# KiCad board testhologram v2.kicad_pcb (continued)
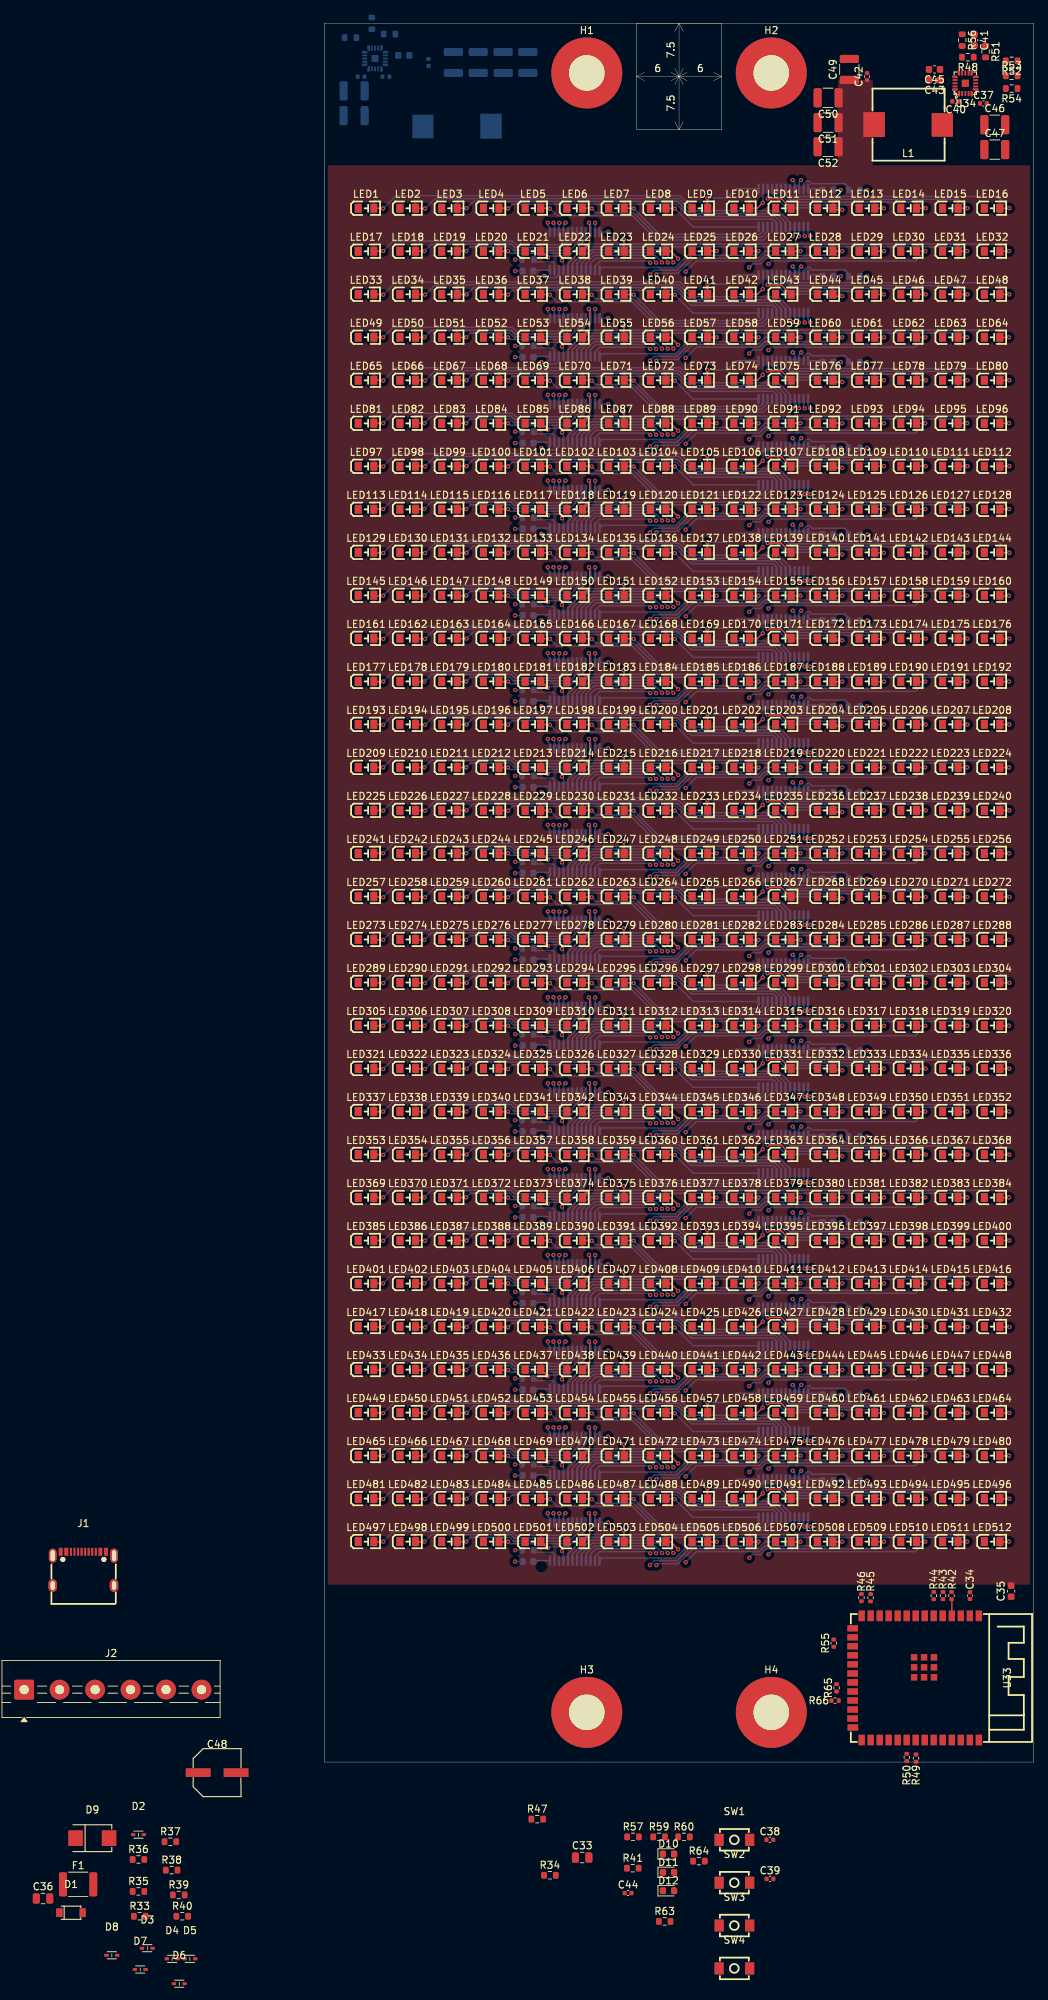
[diagram p0: board, top side]
## Routing (per net, layer and track width the routed paths; a pad name or vN(x,y) marks a point on that pad's centre or on a via; arc(x,y) is an arc through that point) (continued)
Net-(LED347-K): length 35.5
  Top w0.2: v1(67.1,91.65) 67.08,91.63 65.76,91.63
  In4.Cu w0.2: v1(46.8,88.35) 46.8,90 v1(46.78,90.03)
  Bottom w0.2: v1(46.78,90.03) 46.15,90.65 38.26,90.65 37.52,89.91 U22.15 ; v1(46.8,88.35) 46.98,88.53 49.87,88.53 51.97,90.63 51.97,90.65 61.1,90.65 62.1,91.65 v1(67.1,91.65)
Net-(LED348-K): length 41.1
  Top w0.2: 71.64,91.63 72.98,91.63 v1(73,91.65)
  In4.Cu w0.2: v1(47.6,90.05) 47.6,89.95 48.8,88.75 v1(50.93,88.75)
  Bottom w0.2: v1(73,91.65) 72.4,91.05 62.1,91.05 61.3,90.25 52.43,90.25 v1(50.93,88.75) ; v1(47.6,90.05) 46.6,91.05 38.03,91.05 36.89,89.91 U22.16
Net-(LED349-K): length 47.5
  Top w0.2: v1(78.9,91.65) 78.88,91.63 77.52,91.63
  In4.Cu w0.2: v1(59.9,89.38) 59.85,89.43 48.97,89.43 48.4,90 v1(48.4,90.05)
  Bottom w0.2: v1(59.9,89.38) 60.38,89.85 61.5,89.85 62.3,90.65 77.9,90.65 v1(78.9,91.65) ; U22.17 36.25,89.91 37.79,91.45 47.1,91.45 48.42,90.13 48.42,90.08 v1(48.4,90.05)
Net-(LED350-K): length 53.8
  Top w0.2: 83.4,91.63 84.68,91.63 v1(84.7,91.65)
  In4.Cu w0.2: v1(49.2,90.05) 49.28,89.98 62.48,89.98 v1(62.6,89.85)
  Bottom w0.2: U22.18 35.62,89.91 37.56,91.85 47.5,91.85 49.2,90.15 v1(49.2,90.05) ; v1(62.6,89.85) 63,90.25 83.3,90.25 v1(84.7,91.65)
Net-(LED351-K): length 59.1
  Top w0.2: v1(90.6,91.65) 90.58,91.63 89.29,91.63
  Bottom w0.2: v1(90.6,91.65) 90,92.25 37.32,92.25 34.98,89.91 U22.19
Net-(LED352-K): length 66
  Top w0.2: 95.17,91.63 96.48,91.63 v1(96.5,91.65)
  Bottom w0.2: U22.20 34.35,89.91 37.09,92.65 95.5,92.65 v1(96.5,91.65)
Net-(LED353-K): length 61.7
  Top w0.2: v1(8.3,85.55) 8.26,85.59 6.93,85.59
  Bottom w0.2: v1(8.3,85.55) 10.1,87.35 50.15,87.35 52.25,85.25 63.98,85.25 65.65,83.58 U23.5
Net-(LED354-K): length 54.8
  Top w0.2: v1(14.2,85.55) 14.16,85.59 12.81,85.59
  Bottom w0.2: U23.6 65.02,83.57 63.74,84.85 52.09,84.85 49.98,86.95 15.6,86.95 v1(14.2,85.55)
Net-(LED355-K): length 47.9
  Top w0.2: v1(20.06,85.59) 18.7,85.59
  Bottom w0.2: U23.7 64.38,83.58 63.51,84.45 51.92,84.45 49.82,86.55 21.02,86.55 v1(20.06,85.59)
Net-(LED356-K): length 41.1
  Top w0.2: 24.58,85.59 25.86,85.59 v1(25.9,85.55)
  Bottom w0.2: v1(25.9,85.55) 26.5,86.15 49.65,86.15 51.75,84.05 63.27,84.05 63.75,83.57 U23.8
Net-(LED357-K): length 35.6
  Top w0.2: v1(31.8,85.55) 31.76,85.59 30.46,85.59
  Bottom w0.2: v1(31.8,85.55) 32.8,84.55 43.4,84.55 46.84,81.11 61.88,81.11 63.11,82.34 U23.9
Net-(LED358-K): length 28.8
  Top w0.2: v1(37.7,85.55) 37.66,85.59 36.34,85.59
  Bottom w0.2: U23.10 62.48,82.35 61.64,81.51 47.07,81.51 43.63,84.95 38.3,84.95 v1(37.7,85.55)
Net-(LED359-K): length 21.9
  Top w0.2: v1(43.6,85.55) 43.56,85.59 42.23,85.59
  Bottom w0.2: U23.11 61.84,82.34 61.41,81.91 47.24,81.91 v1(43.6,85.55)
Net-(LED360-K): length 14.2
  Top w0.2: v1(49.4,85.55) 49.36,85.59 48.11,85.59
  Bottom w0.2: v1(49.4,85.55) 51.99,82.96 U23.12
Net-(LED361-K): length 9.2
  Top w0.2: 53.99,85.59 54,85.6 v1(54,87.05)
  Bottom w0.2: U23.13 58.09,88.34 56.8,87.05 v1(54,87.05)
Net-(LED362-K): length 4.2
  Top w0.2: v1(61.8,86.35) 61.04,85.59 59.87,85.59
  Bottom w0.2: v1(61.8,86.35) 61.8,86.45 61.84,86.49 U23.14
Net-(LED363-K): length 5.9
  Top w0.2: v1(62.5,86.95) 64.4,86.95 65.76,85.59
  Bottom w0.2: 62.48,87.67 U23.15 62.5,88.32 v1(62.5,86.95)
Net-(LED364-K): length 13.1
  Top w0.2: 71.64,85.59 71.88,85.35 v1(73,85.35)
  Bottom w0.2: v1(73,85.35) 73,85.55 72.9,85.65 65.09,85.65 63.11,87.62 U23.16
Net-(LED365-K): length 18.1
  Top w0.2: v1(78.86,85.59) 77.52,85.59
  Bottom w0.2: v1(78.86,85.59) 78.4,86.05 65.25,86.05 63.75,87.55 U23.17
Net-(LED366-K): length 23.4
  Top w0.2: v1(84.76,85.59) 83.4,85.59
  Bottom w0.2: U23.18 64.38,87.49 65.42,86.45 83.9,86.45 v1(84.76,85.59)
Net-(LED367-K): length 28.7
  Top w0.2: v1(90.64,85.59) 89.29,85.59
  Bottom w0.2: U23.19 65.02,87.41 65.58,86.85 89.38,86.85 v1(90.64,85.59)
Net-(LED368-K): length 34
  Top w0.2: v1(96.56,85.59) 95.17,85.59
  Bottom w0.2: U23.20 65.65,87.35 65.75,87.25 94.9,87.25 v1(96.56,85.59)
Net-(LED369-K): length 29.3
  Top w0.2: v1(8.3,79.55) 8.28,79.53 6.93,79.53
  Bottom w0.2: v1(8.3,79.55) 9.7,80.95 26.48,80.95 26.98,80.45 33.2,80.45 34.35,81.6 U24.5
Net-(LED370-K): length 24.1
  Top w0.2: v1(14.1,79.55) 14.08,79.53 12.81,79.53
  Bottom w0.2: U24.6 34.98,81.62 33.41,80.05 26.82,80.05 26.32,80.55 25.48,80.55 25.48,80.55 15.1,80.55 v1(14.1,79.55)
Net-(LED371-K): length 18.8
  Top w0.2: 18.7,79.53 19.98,79.53 v1(20,79.55)
  Bottom w0.2: U24.7 35.62,81.63 33.64,79.65 26.65,79.65 26.15,80.15 25.65,80.15 25.65,80.15 20.6,80.15 v1(20,79.55)
Net-(LED372-K): length 13.6
  Top w0.2: v1(25.9,79.55) 25.88,79.53 24.58,79.53
  Bottom w0.2: v1(25.9,79.55) 26.2,79.25 34.21,79.25 36.25,81.29 U24.8
Net-(LED373-K): length 8.8
  Top w0.2: 30.46,79.53 30.62,79.53 v1(31.5,78.65)
  Bottom w0.2: U24.9 36.89,81.29 34.45,78.85 31.7,78.85 v1(31.5,78.65)
Net-(LED374-K): length 5.9
  Top w0.2: v1(37.3,83.55) 37.4,83.45 37.4,80.59 36.34,79.53
  Bottom w0.2: U24.10 37.52,83.33 v1(37.3,83.55)
Net-(LED375-K): length 8.2
  Top w0.2: 42.23,79.53 42.23,81.13 v1(42.2,81.15)
  In4.Cu w0.2: v1(38.18,83.53) 38.18,83.18 40.2,81.15 v1(42.2,81.15)
  Bottom w0.2: v1(38.18,83.53) 38.2,83.5 38.2,82.28 U24.11
Net-(LED376-K): length 14.9
  Top w0.2: v1(49.88,78.48) 48.82,79.53 48.11,79.53
  In4.Cu w0.2: v1(49.88,78.48) 46.1,82.25 v1(40,82.25)
  Bottom w0.2: v1(40,82.25) 38.8,82.25 U24.12
Net-(LED377-K): length 18.9
  Top w0.2: 53.99,79.53 55.28,79.53 v1(55.3,79.55)
  Bottom w0.2: U24.13 39.18,77.25 46.53,77.25 46.53,77.25 47.03,77.25 47.03,77.25 49.5,77.25 51.8,79.55 v1(55.3,79.55)
Net-(LED378-K): length 28.6
  Top w0.2: 59.87,79.53 61.18,79.53 v1(61.2,79.55)
  In4.Cu w0.2: v1(45.94,77.92) 45.9,77.88 v1(45.9,76.25)
  Bottom w0.2: U24.14 38.16,77.48 38.83,78.15 45.71,78.15 v1(45.94,77.92) ; v1(45.9,76.25) 46.5,76.85 49.7,76.85 51.8,78.95 60.9,78.95 61.2,79.25 v1(61.2,79.55)
Net-(LED379-K): length 35.5
  Top w0.2: 65.76,79.53 67.08,79.53 v1(67.1,79.55)
  In4.Cu w0.2: v1(46.8,76.25) 46.8,77.9 v1(46.78,77.93)
  Bottom w0.2: v1(67.1,79.55) 62.1,79.55 61.1,78.55 51.97,78.55 51.97,78.53 49.87,76.43 46.98,76.43 v1(46.8,76.25) ; v1(46.78,77.93) 46.15,78.55 38.26,78.55 37.52,77.81 U24.15
Net-(LED380-K): length 41.1
  Top w0.2: 71.64,79.53 72.98,79.53 v1(73,79.55)
  In4.Cu w0.2: v1(50.93,76.65) 48.8,76.65 47.6,77.85 v1(47.6,77.95)
  Bottom w0.2: v1(73,79.55) 72.4,78.95 62.1,78.95 61.3,78.15 52.43,78.15 v1(50.93,76.65) ; U24.16 36.89,77.81 38.03,78.95 46.6,78.95 v1(47.6,77.95)
Net-(LED381-K): length 47.5
  Top w0.2: 77.52,79.53 78.88,79.53 v1(78.9,79.55)
  In4.Cu w0.2: v1(59.9,77.28) 59.85,77.33 48.97,77.33 48.4,77.9 v1(48.4,77.95)
  Bottom w0.2: v1(78.9,79.55) 77.9,78.55 62.3,78.55 61.5,77.75 60.38,77.75 v1(59.9,77.28) ; v1(48.4,77.95) 48.42,77.98 48.42,78.03 47.1,79.35 37.79,79.35 36.25,77.81 U24.17
Net-(LED382-K): length 53.8
  Top w0.2: v1(84.7,79.55) 84.68,79.53 83.4,79.53
  In4.Cu w0.2: v1(62.6,77.75) 62.48,77.88 49.28,77.88 v1(49.2,77.95)
  Bottom w0.2: v1(49.2,77.95) 49.2,78.05 47.5,79.75 37.56,79.75 35.62,77.81 U24.18 ; v1(84.7,79.55) 83.3,78.15 63,78.15 v1(62.6,77.75)
Net-(LED383-K): length 59.1
  Top w0.2: v1(90.6,79.55) 90.58,79.53 89.29,79.53
  Bottom w0.2: U24.19 34.98,77.81 37.32,80.15 90,80.15 v1(90.6,79.55)
Net-(LED384-K): length 66
  Top w0.2: v1(96.5,79.55) 96.48,79.53 95.17,79.53
  Bottom w0.2: U24.20 34.35,77.81 37.09,80.55 95.5,80.55 v1(96.5,79.55)
Net-(LED385-K): length 61.7
  Top w0.2: v1(8.3,73.45) 8.26,73.49 6.93,73.49
  Bottom w0.2: U25.5 65.65,71.48 63.98,73.15 52.25,73.15 50.15,75.25 10.1,75.25 v1(8.3,73.45)
Net-(LED386-K): length 54.8
  Top w0.2: 12.81,73.49 14.16,73.49 v1(14.2,73.45)
  Bottom w0.2: U25.6 65.02,71.47 63.74,72.75 52.09,72.75 49.98,74.85 15.6,74.85 v1(14.2,73.45)
Net-(LED387-K): length 47.9
  Top w0.2: v1(20.06,73.49) 18.7,73.49
  Bottom w0.2: v1(20.06,73.49) 21.02,74.45 49.82,74.45 51.92,72.35 63.51,72.35 64.38,71.48 U25.7
Net-(LED388-K): length 41.1
  Top w0.2: v1(25.9,73.45) 25.86,73.49 24.58,73.49
  Bottom w0.2: v1(25.9,73.45) 26.5,74.05 49.65,74.05 51.75,71.95 63.27,71.95 63.75,71.47 U25.8
Net-(LED389-K): length 35.6
  Top w0.2: 30.46,73.49 31.76,73.49 v1(31.8,73.45)
  Bottom w0.2: U25.9 63.11,70.24 61.88,69.01 46.84,69.01 43.4,72.45 32.8,72.45 v1(31.8,73.45)
Net-(LED390-K): length 28.8
  Top w0.2: v1(37.7,73.45) 37.66,73.49 36.34,73.49
  Bottom w0.2: v1(37.7,73.45) 38.3,72.85 43.63,72.85 47.07,69.41 61.64,69.41 62.48,70.25 U25.10
Net-(LED391-K): length 21.9
  Top w0.2: v1(43.6,73.45) 43.56,73.49 42.23,73.49
  Bottom w0.2: U25.11 61.84,70.24 61.41,69.81 47.24,69.81 v1(43.6,73.45)
Net-(LED392-K): length 14.2
  Top w0.2: v1(49.4,73.45) 49.36,73.49 48.11,73.49
  Bottom w0.2: v1(49.4,73.45) 51.99,70.86 U25.12
Net-(LED393-K): length 9.2
  Top w0.2: 53.99,73.49 54,73.5 v1(54,74.95)
  Bottom w0.2: v1(54,74.95) 56.8,74.95 58.09,76.24 U25.13
Net-(LED394-K): length 4.2
  Top w0.2: v1(61.8,74.25) 61.04,73.49 59.87,73.49
  Bottom w0.2: U25.14 61.84,74.39 61.8,74.35 v1(61.8,74.25)
Net-(LED395-K): length 5.9
  Top w0.2: 65.76,73.49 64.4,74.85 v1(62.5,74.85)
  Bottom w0.2: v1(62.5,74.85) 62.5,76.22 U25.15 62.48,75.57
Net-(LED396-K): length 13.1
  Top w0.2: 71.64,73.49 71.88,73.25 v1(73,73.25)
  Bottom w0.2: v1(73,73.25) 73,73.45 72.9,73.55 65.09,73.55 63.11,75.52 U25.16
Net-(LED397-K): length 18.1
  Top w0.2: v1(78.86,73.49) 77.52,73.49
  Bottom w0.2: v1(78.86,73.49) 78.4,73.95 65.25,73.95 63.75,75.45 U25.17
Net-(LED398-K): length 23.4
  Top w0.2: v1(84.76,73.49) 83.4,73.49
  Bottom w0.2: U25.18 64.38,75.39 65.42,74.35 83.9,74.35 v1(84.76,73.49)
Net-(LED399-K): length 28.7
  Top w0.2: v1(90.64,73.49) 89.29,73.49
  Bottom w0.2: v1(90.64,73.49) 89.38,74.75 65.58,74.75 65.02,75.31 U25.19
Net-(LED400-K): length 34
  Top w0.2: v1(96.56,73.49) 95.17,73.49
  Bottom w0.2: v1(96.56,73.49) 94.9,75.15 65.75,75.15 65.65,75.25 U25.20
Net-(LED401-K): length 29.3
  Top w0.2: v1(8.3,67.45) 8.28,67.43 6.93,67.43
  Bottom w0.2: v1(8.3,67.45) 9.7,68.85 26.48,68.85 26.98,68.35 33.2,68.35 34.35,69.5 U26.5
Net-(LED402-K): length 24.1
  Top w0.2: 12.81,67.43 14.08,67.43 v1(14.1,67.45)
  Bottom w0.2: U26.6 34.98,69.52 33.41,67.95 26.82,67.95 26.32,68.45 25.48,68.45 25.48,68.45 15.1,68.45 v1(14.1,67.45)
Net-(LED403-K): length 18.8
  Top w0.2: v1(20,67.45) 19.98,67.43 18.7,67.43
  Bottom w0.2: v1(20,67.45) 20.6,68.05 25.65,68.05 25.65,68.05 26.15,68.05 26.65,67.55 33.64,67.55 35.62,69.53 U26.7
Net-(LED404-K): length 13.6
  Top w0.2: v1(25.9,67.45) 25.88,67.43 24.58,67.43
  Bottom w0.2: v1(25.9,67.45) 26.2,67.15 34.21,67.15 36.25,69.19 U26.8
Net-(LED405-K): length 8.8
  Top w0.2: 30.46,67.43 30.62,67.43 v1(31.5,66.55)
  Bottom w0.2: U26.9 36.89,69.19 34.45,66.75 31.7,66.75 v1(31.5,66.55)
Net-(LED406-K): length 5.9
  Top w0.2: v1(37.3,71.45) 37.4,71.35 37.4,68.49 36.34,67.43
  Bottom w0.2: U26.10 37.52,71.23 v1(37.3,71.45)
Net-(LED407-K): length 8.2
  Top w0.2: v1(42.2,69.05) 42.23,69.03 42.23,67.43
  In4.Cu w0.2: v1(38.18,71.43) 38.18,71.08 40.2,69.05 v1(42.2,69.05)
  Bottom w0.2: U26.11 38.2,70.18 38.2,71.4 v1(38.18,71.43)
Net-(LED408-K): length 14.9
  Top w0.2: 48.11,67.43 48.82,67.43 v1(49.88,66.38)
  In4.Cu w0.2: v1(40,70.15) 46.1,70.15 v1(49.88,66.38)
  Bottom w0.2: U26.12 38.8,70.15 v1(40,70.15)
Net-(LED409-K): length 18.9
  Top w0.2: 53.99,67.43 55.28,67.43 v1(55.3,67.45)
  Bottom w0.2: v1(55.3,67.45) 51.8,67.45 49.5,65.15 47.03,65.15 47.03,65.15 46.53,65.15 46.53,65.15 39.18,65.15 U26.13
Net-(LED410-K): length 28.6
  Top w0.2: 59.87,67.43 61.18,67.43 v1(61.2,67.45)
  In4.Cu w0.2: v1(45.9,64.15) 45.9,65.78 v1(45.94,65.82)
  Bottom w0.2: v1(45.94,65.82) 45.71,66.05 38.83,66.05 38.16,65.38 U26.14 ; v1(61.2,67.45) 61.2,67.15 60.9,66.85 51.8,66.85 49.7,64.75 46.5,64.75 v1(45.9,64.15)
Net-(LED411-K): length 35.5
  Top w0.2: v1(67.1,67.45) 67.08,67.43 65.76,67.43
  In4.Cu w0.2: v1(46.8,64.15) 46.8,65.8 v1(46.78,65.83)
  Bottom w0.2: v1(46.8,64.15) 46.98,64.33 49.87,64.33 51.97,66.43 51.97,66.45 61.1,66.45 62.1,67.45 v1(67.1,67.45) ; U26.15 37.52,65.71 38.26,66.45 46.15,66.45 v1(46.78,65.83)
Net-(LED412-K): length 41.1
  Top w0.2: 71.64,67.43 72.98,67.43 v1(73,67.45)
  In4.Cu w0.2: v1(50.93,64.55) 48.8,64.55 47.6,65.75 v1(47.6,65.85)
  Bottom w0.2: U26.16 36.89,65.71 38.03,66.85 46.6,66.85 v1(47.6,65.85) ; v1(50.93,64.55) 52.43,66.05 61.3,66.05 62.1,66.85 72.4,66.85 v1(73,67.45)
Net-(LED413-K): length 47.5
  Top w0.2: 77.52,67.43 78.88,67.43 v1(78.9,67.45)
  In4.Cu w0.2: v1(48.4,65.85) 48.4,65.8 48.97,65.23 59.85,65.23 v1(59.9,65.18)
  Bottom w0.2: v1(78.9,67.45) 77.9,66.45 62.3,66.45 61.5,65.65 60.38,65.65 v1(59.9,65.18) ; v1(48.4,65.85) 48.42,65.88 48.42,65.93 47.1,67.25 37.79,67.25 36.25,65.71 U26.17
Net-(LED414-K): length 53.8
  Top w0.2: v1(84.7,67.45) 84.68,67.43 83.4,67.43
  In4.Cu w0.2: v1(49.2,65.85) 49.28,65.78 62.48,65.78 v1(62.6,65.65)
  Bottom w0.2: U26.18 35.62,65.71 37.56,67.65 47.5,67.65 49.2,65.95 v1(49.2,65.85) ; v1(84.7,67.45) 83.3,66.05 63,66.05 v1(62.6,65.65)
Net-(LED415-K): length 59.1
  Top w0.2: 89.29,67.43 90.58,67.43 v1(90.6,67.45)
  Bottom w0.2: v1(90.6,67.45) 90,68.05 37.32,68.05 34.98,65.71 U26.19
Net-(LED416-K): length 66
  Top w0.2: v1(96.5,67.45) 96.48,67.43 95.17,67.43
  Bottom w0.2: v1(96.5,67.45) 95.5,68.45 37.09,68.45 34.35,65.71 U26.20
Net-(LED417-K): length 61.7
  Top w0.2: 6.93,61.29 8.26,61.29 v1(8.3,61.25)
  Bottom w0.2: v1(8.3,61.25) 10.1,63.05 50.15,63.05 52.25,60.95 63.98,60.95 65.65,59.28 U27.5
Net-(LED418-K): length 54.8
  Top w0.2: 12.81,61.29 14.16,61.29 v1(14.2,61.25)
  Bottom w0.2: v1(14.2,61.25) 15.6,62.65 49.98,62.65 52.09,60.55 63.74,60.55 65.02,59.27 U27.6
Net-(LED419-K): length 47.9
  Top w0.2: v1(20.06,61.29) 18.7,61.29
  Bottom w0.2: U27.7 64.38,59.28 63.51,60.15 51.92,60.15 49.82,62.25 21.02,62.25 v1(20.06,61.29)
Net-(LED420-K): length 41.1
  Top w0.2: 24.58,61.29 25.86,61.29 v1(25.9,61.25)
  Bottom w0.2: v1(25.9,61.25) 26.5,61.85 49.65,61.85 51.75,59.75 63.27,59.75 63.75,59.27 U27.8
Net-(LED421-K): length 35.6
  Top w0.2: v1(31.8,61.25) 31.76,61.29 30.46,61.29
  Bottom w0.2: v1(31.8,61.25) 32.8,60.25 43.4,60.25 46.84,56.81 61.88,56.81 63.11,58.04 U27.9
Net-(LED422-K): length 28.8
  Top w0.2: 36.34,61.29 37.66,61.29 v1(37.7,61.25)
  Bottom w0.2: v1(37.7,61.25) 38.3,60.65 43.63,60.65 47.07,57.21 61.64,57.21 62.48,58.05 U27.10
Net-(LED423-K): length 21.9
  Top w0.2: v1(43.6,61.25) 43.56,61.29 42.23,61.29
  Bottom w0.2: v1(43.6,61.25) 47.24,57.61 61.41,57.61 61.84,58.04 U27.11
Net-(LED424-K): length 14.2
  Top w0.2: v1(49.4,61.25) 49.36,61.29 48.11,61.29
  Bottom w0.2: v1(49.4,61.25) 51.99,58.66 U27.12
Net-(LED425-K): length 9.2
  Top w0.2: v1(54,62.75) 54,61.3 53.99,61.29
  Bottom w0.2: v1(54,62.75) 56.8,62.75 58.09,64.04 U27.13
Net-(LED426-K): length 4.2
  Top w0.2: v1(61.8,62.05) 61.04,61.29 59.87,61.29
  Bottom w0.2: U27.14 61.84,62.19 61.8,62.15 v1(61.8,62.05)
Net-(LED427-K): length 5.9
  Top w0.2: v1(62.5,62.65) 64.4,62.65 65.76,61.29
  Bottom w0.2: 62.48,63.37 U27.15 62.5,64.02 v1(62.5,62.65)
Net-(LED428-K): length 13.1
  Top w0.2: 71.64,61.29 71.88,61.05 v1(73,61.05)
  Bottom w0.2: U27.16 63.11,63.32 65.09,61.35 72.9,61.35 73,61.25 v1(73,61.05)
Net-(LED429-K): length 18.1
  Top w0.2: v1(78.86,61.29) 77.52,61.29
  Bottom w0.2: U27.17 63.75,63.25 65.25,61.75 78.4,61.75 v1(78.86,61.29)
Net-(LED430-K): length 23.4
  Top w0.2: v1(84.76,61.29) 83.4,61.29
  Bottom w0.2: v1(84.76,61.29) 83.9,62.15 65.42,62.15 64.38,63.19 U27.18
Net-(LED431-K): length 28.7
  Top w0.2: v1(90.64,61.29) 89.29,61.29
  Bottom w0.2: v1(90.64,61.29) 89.38,62.55 65.58,62.55 65.02,63.11 U27.19
Net-(LED432-K): length 34
  Top w0.2: v1(96.56,61.29) 95.17,61.29
  Bottom w0.2: v1(96.56,61.29) 94.9,62.95 65.75,62.95 65.65,63.05 U27.20
Net-(LED433-K): length 29.3
  Top w0.2: v1(8.3,55.25) 8.28,55.23 6.93,55.23
  Bottom w0.2: U28.5 34.35,57.3 33.2,56.15 26.98,56.15 26.48,56.65 9.7,56.65 v1(8.3,55.25)
Net-(LED434-K): length 24.1
  Top w0.2: 12.81,55.23 14.08,55.23 v1(14.1,55.25)
  Bottom w0.2: U28.6 34.98,57.32 33.41,55.75 26.82,55.75 26.32,56.25 25.48,56.25 25.48,56.25 15.1,56.25 v1(14.1,55.25)
Net-(LED435-K): length 18.8
  Top w0.2: 18.7,55.23 19.98,55.23 v1(20,55.25)
  Bottom w0.2: v1(20,55.25) 20.6,55.85 25.65,55.85 25.65,55.85 26.15,55.85 26.65,55.35 33.64,55.35 35.62,57.33 U28.7
Net-(LED436-K): length 13.6
  Top w0.2: v1(25.9,55.25) 25.88,55.23 24.58,55.23
  Bottom w0.2: U28.8 36.25,56.99 34.21,54.95 26.2,54.95 v1(25.9,55.25)
Net-(LED437-K): length 8.8
  Top w0.2: 30.46,55.23 30.62,55.23 v1(31.5,54.35)
  Bottom w0.2: U28.9 36.89,56.99 34.45,54.55 31.7,54.55 v1(31.5,54.35)
Net-(LED438-K): length 5.9
  Top w0.2: v1(37.3,59.25) 37.4,59.15 37.4,56.29 36.34,55.23
  Bottom w0.2: v1(37.3,59.25) 37.52,59.03 U28.10
Net-(LED439-K): length 8.2
  Top w0.2: v1(42.2,56.85) 42.23,56.83 42.23,55.23
  In4.Cu w0.2: v1(42.2,56.85) 40.2,56.85 38.18,58.88 v1(38.18,59.23)
  Bottom w0.2: v1(38.18,59.23) 38.2,59.2 38.2,57.98 U28.11
Net-(LED440-K): length 14.9
  Top w0.2: 48.11,55.23 48.82,55.23 v1(49.88,54.18)
  In4.Cu w0.2: v1(40,57.95) 46.1,57.95 v1(49.88,54.18)
  Bottom w0.2: v1(40,57.95) 38.8,57.95 U28.12
Net-(LED441-K): length 18.9
  Top w0.2: 53.99,55.23 55.28,55.23 v1(55.3,55.25)
  Bottom w0.2: v1(55.3,55.25) 51.8,55.25 49.5,52.95 47.03,52.95 47.03,52.95 46.53,52.95 46.53,52.95 39.18,52.95 U28.13
Net-(LED442-K): length 28.6
  Top w0.2: v1(61.2,55.25) 61.18,55.23 59.87,55.23
  In4.Cu w0.2: v1(45.9,51.95) 45.9,53.58 v1(45.94,53.62)
  Bottom w0.2: v1(45.94,53.62) 45.71,53.85 38.83,53.85 38.16,53.18 U28.14 ; v1(61.2,55.25) 61.2,54.95 60.9,54.65 51.8,54.65 49.7,52.55 46.5,52.55 v1(45.9,51.95)
Net-(LED443-K): length 35.5
  Top w0.2: v1(67.1,55.25) 67.08,55.23 65.76,55.23
  In4.Cu w0.2: v1(46.78,53.63) 46.8,53.6 v1(46.8,51.95)
  Bottom w0.2: v1(46.8,51.95) 46.98,52.13 49.87,52.13 51.97,54.23 51.97,54.25 61.1,54.25 62.1,55.25 v1(67.1,55.25) ; U28.15 37.52,53.51 38.26,54.25 46.15,54.25 v1(46.78,53.63)
Net-(LED444-K): length 41.1
  Top w0.2: 71.64,55.23 72.98,55.23 v1(73,55.25)
  In4.Cu w0.2: v1(47.6,53.65) 47.6,53.55 48.8,52.35 v1(50.93,52.35)
  Bottom w0.2: U28.16 36.89,53.51 38.03,54.65 46.6,54.65 v1(47.6,53.65) ; v1(73,55.25) 72.4,54.65 62.1,54.65 61.3,53.85 52.43,53.85 v1(50.93,52.35)
Net-(LED445-K): length 47.5
  Top w0.2: 77.52,55.23 78.88,55.23 v1(78.9,55.25)
  In4.Cu w0.2: v1(59.9,52.98) 59.85,53.03 48.97,53.03 48.4,53.6 v1(48.4,53.65)
  Bottom w0.2: U28.17 36.25,53.51 37.79,55.05 47.1,55.05 48.42,53.73 48.42,53.68 v1(48.4,53.65) ; v1(59.9,52.98) 60.38,53.45 61.5,53.45 62.3,54.25 77.9,54.25 v1(78.9,55.25)
Net-(LED446-K): length 53.8
  Top w0.2: v1(84.7,55.25) 84.68,55.23 83.4,55.23
  In4.Cu w0.2: v1(49.2,53.65) 49.28,53.58 62.48,53.58 v1(62.6,53.45)
  Bottom w0.2: v1(84.7,55.25) 83.3,53.85 63,53.85 v1(62.6,53.45) ; v1(49.2,53.65) 49.2,53.75 47.5,55.45 37.56,55.45 35.62,53.51 U28.18
Net-(LED447-K): length 59.1
  Top w0.2: v1(90.6,55.25) 90.58,55.23 89.29,55.23
  Bottom w0.2: U28.19 34.98,53.51 37.32,55.85 90,55.85 v1(90.6,55.25)
Net-(LED448-K): length 66
  Top w0.2: 95.17,55.23 96.48,55.23 v1(96.5,55.25)
  Bottom w0.2: U28.20 34.35,53.51 37.09,56.25 95.5,56.25 v1(96.5,55.25)
Net-(LED449-K): length 61.7
  Top w0.2: v1(8.3,49.15) 8.26,49.19 6.93,49.19
  Bottom w0.2: v1(8.3,49.15) 10.1,50.95 50.15,50.95 52.25,48.85 63.98,48.85 65.65,47.18 U29.5
Net-(LED450-K): length 54.8
  Top w0.2: 12.81,49.19 14.16,49.19 v1(14.2,49.15)
  Bottom w0.2: v1(14.2,49.15) 15.6,50.55 49.98,50.55 52.09,48.45 63.74,48.45 65.02,47.17 U29.6
Net-(LED451-K): length 47.9
  Top w0.2: v1(20.06,49.19) 18.7,49.19
  Bottom w0.2: U29.7 64.38,47.18 63.51,48.05 51.92,48.05 49.82,50.15 21.02,50.15 v1(20.06,49.19)
Net-(LED452-K): length 41.1
  Top w0.2: 24.58,49.19 25.86,49.19 v1(25.9,49.15)
  Bottom w0.2: U29.8 63.75,47.17 63.27,47.65 51.75,47.65 49.65,49.75 26.5,49.75 v1(25.9,49.15)
Net-(LED453-K): length 35.6
  Top w0.2: v1(31.8,49.15) 31.76,49.19 30.46,49.19
  Bottom w0.2: v1(31.8,49.15) 32.8,48.15 43.4,48.15 46.84,44.71 61.88,44.71 63.11,45.94 U29.9
Net-(LED454-K): length 28.8
  Top w0.2: 36.34,49.19 37.66,49.19 v1(37.7,49.15)
  Bottom w0.2: U29.10 62.48,45.95 61.64,45.11 47.07,45.11 43.63,48.55 38.3,48.55 v1(37.7,49.15)
Net-(LED455-K): length 21.9
  Top w0.2: v1(43.6,49.15) 43.56,49.19 42.23,49.19
  Bottom w0.2: v1(43.6,49.15) 47.24,45.51 61.41,45.51 61.84,45.94 U29.11
Net-(LED456-K): length 14.2
  Top w0.2: 48.11,49.19 49.36,49.19 v1(49.4,49.15)
  Bottom w0.2: v1(49.4,49.15) 51.99,46.56 U29.12
Net-(LED457-K): length 9.2
  Top w0.2: 53.99,49.19 54,49.2 v1(54,50.65)
  Bottom w0.2: v1(54,50.65) 56.8,50.65 58.09,51.94 U29.13
Net-(LED458-K): length 4.2
  Top w0.2: v1(61.8,49.95) 61.04,49.19 59.87,49.19
  Bottom w0.2: v1(61.8,49.95) 61.8,50.05 61.84,50.09 U29.14
Net-(LED459-K): length 5.9
  Top w0.2: v1(62.5,50.55) 64.4,50.55 65.76,49.19
  Bottom w0.2: v1(62.5,50.55) 62.5,51.92 U29.15 62.48,51.27
Net-(LED460-K): length 13.1
  Top w0.2: v1(73,48.95) 71.88,48.95 71.64,49.19
  Bottom w0.2: v1(73,48.95) 73,49.15 72.9,49.25 65.09,49.25 63.11,51.22 U29.16
Net-(LED461-K): length 18.1
  Top w0.2: v1(78.86,49.19) 77.52,49.19
  Bottom w0.2: U29.17 63.75,51.15 65.25,49.65 78.4,49.65 v1(78.86,49.19)
Net-(LED462-K): length 23.4
  Top w0.2: v1(84.76,49.19) 83.4,49.19
  Bottom w0.2: U29.18 64.38,51.09 65.42,50.05 83.9,50.05 v1(84.76,49.19)
Net-(LED463-K): length 28.7
  Top w0.2: v1(90.64,49.19) 89.29,49.19
  Bottom w0.2: U29.19 65.02,51.01 65.58,50.45 89.38,50.45 v1(90.64,49.19)
Net-(LED464-K): length 34
  Top w0.2: v1(96.56,49.19) 95.17,49.19
  Bottom w0.2: U29.20 65.65,50.95 65.75,50.85 94.9,50.85 v1(96.56,49.19)
Net-(LED465-K): length 29.3
  Top w0.2: v1(8.3,43.15) 8.28,43.13 6.93,43.13
  Bottom w0.2: U30.5 34.35,45.2 33.2,44.05 26.98,44.05 26.48,44.55 9.7,44.55 v1(8.3,43.15)
Net-(LED466-K): length 24.1
  Top w0.2: v1(14.1,43.15) 14.08,43.13 12.81,43.13
  Bottom w0.2: U30.6 34.98,45.22 33.41,43.65 26.82,43.65 26.32,44.15 25.48,44.15 25.48,44.15 15.1,44.15 v1(14.1,43.15)
Net-(LED467-K): length 18.8
  Top w0.2: 18.7,43.13 19.98,43.13 v1(20,43.15)
  Bottom w0.2: U30.7 35.62,45.23 33.64,43.25 26.65,43.25 26.15,43.75 25.65,43.75 25.65,43.75 20.6,43.75 v1(20,43.15)
Net-(LED468-K): length 13.6
  Top w0.2: v1(25.9,43.15) 25.88,43.13 24.58,43.13
  Bottom w0.2: U30.8 36.25,44.89 34.21,42.85 26.2,42.85 v1(25.9,43.15)
Net-(LED469-K): length 8.8
  Top w0.2: v1(31.5,42.25) 30.62,43.13 30.46,43.13
  Bottom w0.2: v1(31.5,42.25) 31.7,42.45 34.45,42.45 36.89,44.89 U30.9
Net-(LED470-K): length 5.9
  Top w0.2: 36.34,43.13 37.4,44.19 37.4,47.05 v1(37.3,47.15)
  Bottom w0.2: v1(37.3,47.15) 37.52,46.93 U30.10
Net-(LED471-K): length 8.2
  Top w0.2: 42.23,43.13 42.23,44.73 v1(42.2,44.75)
  In4.Cu w0.2: v1(42.2,44.75) 40.2,44.75 38.18,46.78 v1(38.18,47.13)
  Bottom w0.2: U30.11 38.2,45.88 38.2,47.1 v1(38.18,47.13)
Net-(LED472-K): length 14.9
  Top w0.2: v1(49.88,42.08) 48.82,43.13 48.11,43.13
  In4.Cu w0.2: v1(40,45.85) 46.1,45.85 v1(49.88,42.08)
  Bottom w0.2: v1(40,45.85) 38.8,45.85 U30.12
Net-(LED473-K): length 18.9
  Top w0.2: 53.99,43.13 55.28,43.13 v1(55.3,43.15)
  Bottom w0.2: v1(55.3,43.15) 51.8,43.15 49.5,40.85 47.03,40.85 47.03,40.85 46.53,40.85 46.53,40.85 39.18,40.85 U30.13
Net-(LED474-K): length 28.6
  Top w0.2: v1(61.2,43.15) 61.18,43.13 59.87,43.13
  In4.Cu w0.2: v1(45.9,39.85) 45.9,41.48 v1(45.94,41.52)
  Bottom w0.2: v1(61.2,43.15) 61.2,42.85 60.9,42.55 51.8,42.55 49.7,40.45 46.5,40.45 v1(45.9,39.85) ; v1(45.94,41.52) 45.71,41.75 38.83,41.75 38.16,41.08 U30.14
Net-(LED475-K): length 35.5
  Top w0.2: v1(67.1,43.15) 67.08,43.13 65.76,43.13
  In4.Cu w0.2: v1(46.8,39.85) 46.8,41.5 v1(46.78,41.53)
  Bottom w0.2: v1(46.78,41.53) 46.15,42.15 38.26,42.15 37.52,41.41 U30.15 ; v1(46.8,39.85) 46.98,40.03 49.87,40.03 51.97,42.13 51.97,42.15 61.1,42.15 62.1,43.15 v1(67.1,43.15)
Net-(LED476-K): length 41.1
  Top w0.2: v1(73,43.15) 72.98,43.13 71.64,43.13
  In4.Cu w0.2: v1(50.93,40.25) 48.8,40.25 47.6,41.45 v1(47.6,41.55)
  Bottom w0.2: U30.16 36.89,41.41 38.03,42.55 46.6,42.55 v1(47.6,41.55) ; v1(73,43.15) 72.4,42.55 62.1,42.55 61.3,41.75 52.43,41.75 v1(50.93,40.25)
Net-(LED477-K): length 47.5
  Top w0.2: 77.52,43.13 78.88,43.13 v1(78.9,43.15)
  In4.Cu w0.2: v1(48.4,41.55) 48.4,41.5 48.97,40.93 59.85,40.93 v1(59.9,40.88)
  Bottom w0.2: v1(78.9,43.15) 77.9,42.15 62.3,42.15 61.5,41.35 60.38,41.35 v1(59.9,40.88) ; U30.17 36.25,41.41 37.79,42.95 47.1,42.95 48.42,41.63 48.42,41.58 v1(48.4,41.55)
Net-(LED478-K): length 53.8
  Top w0.2: 83.4,43.13 84.68,43.13 v1(84.7,43.15)
  In4.Cu w0.2: v1(49.2,41.55) 49.28,41.48 62.48,41.48 v1(62.6,41.35)
  Bottom w0.2: v1(62.6,41.35) 63,41.75 83.3,41.75 v1(84.7,43.15) ; v1(49.2,41.55) 49.2,41.65 47.5,43.35 37.56,43.35 35.62,41.41 U30.18
Net-(LED479-K): length 59.1
  Top w0.2: v1(90.6,43.15) 90.58,43.13 89.29,43.13
  Bottom w0.2: v1(90.6,43.15) 90,43.75 37.32,43.75 34.98,41.41 U30.19
Net-(LED480-K): length 66
  Top w0.2: 95.17,43.13 96.48,43.13 v1(96.5,43.15)
  Bottom w0.2: v1(96.5,43.15) 95.5,44.15 37.09,44.15 34.35,41.41 U30.20
Net-(LED481-K): length 61.7
  Top w0.2: 6.93,37.09 8.26,37.09 v1(8.3,37.05)
  Bottom w0.2: v1(8.3,37.05) 10.1,38.85 50.15,38.85 52.25,36.75 63.98,36.75 65.65,35.08 U31.5
Net-(LED482-K): length 54.8
  Top w0.2: v1(14.2,37.05) 14.16,37.09 12.81,37.09
  Bottom w0.2: U31.6 65.02,35.07 63.74,36.35 52.09,36.35 49.98,38.45 15.6,38.45 v1(14.2,37.05)
Net-(LED483-K): length 47.9
  Top w0.2: v1(20.06,37.09) 18.7,37.09
  Bottom w0.2: U31.7 64.38,35.08 63.51,35.95 51.92,35.95 49.82,38.05 21.02,38.05 v1(20.06,37.09)
Net-(LED484-K): length 41.1
  Top w0.2: v1(25.9,37.05) 25.86,37.09 24.58,37.09
  Bottom w0.2: v1(25.9,37.05) 26.5,37.65 49.65,37.65 51.75,35.55 63.27,35.55 63.75,35.07 U31.8
Net-(LED485-K): length 35.6
  Top w0.2: v1(31.8,37.05) 31.76,37.09 30.46,37.09
  Bottom w0.2: U31.9 63.11,33.84 61.88,32.61 46.84,32.61 43.4,36.05 32.8,36.05 v1(31.8,37.05)
Net-(LED486-K): length 28.8
  Top w0.2: 36.34,37.09 37.66,37.09 v1(37.7,37.05)
  Bottom w0.2: U31.10 62.48,33.85 61.64,33.01 47.07,33.01 43.63,36.45 38.3,36.45 v1(37.7,37.05)
Net-(LED487-K): length 21.9
  Top w0.2: v1(43.6,37.05) 43.56,37.09 42.23,37.09
  Bottom w0.2: U31.11 61.84,33.84 61.41,33.41 47.24,33.41 v1(43.6,37.05)
Net-(LED488-K): length 14.2
  Top w0.2: v1(49.4,37.05) 49.36,37.09 48.11,37.09
  Bottom w0.2: v1(49.4,37.05) 51.99,34.46 U31.12
Net-(LED489-K): length 9.2
  Top w0.2: 53.99,37.09 54,37.1 v1(54,38.55)
  Bottom w0.2: U31.13 58.09,39.84 56.8,38.55 v1(54,38.55)
Net-(LED490-K): length 4.2
  Top w0.2: 59.87,37.09 61.04,37.09 v1(61.8,37.85)
  Bottom w0.2: v1(61.8,37.85) 61.8,37.95 61.84,37.99 U31.14
Net-(LED491-K): length 5.9
  Top w0.2: v1(62.5,38.45) 64.4,38.45 65.76,37.09
  Bottom w0.2: v1(62.5,38.45) 62.5,39.82 U31.15 62.48,39.17
Net-(LED492-K): length 13.1
  Top w0.2: v1(73,36.85) 71.88,36.85 71.64,37.09
  Bottom w0.2: v1(73,36.85) 73,37.05 72.9,37.15 65.09,37.15 63.11,39.12 U31.16
Net-(LED493-K): length 18.1
  Top w0.2: v1(78.86,37.09) 77.52,37.09
  Bottom w0.2: v1(78.86,37.09) 78.4,37.55 65.25,37.55 63.75,39.05 U31.17
Net-(LED494-K): length 23.4
  Top w0.2: v1(84.76,37.09) 83.4,37.09
  Bottom w0.2: v1(84.76,37.09) 83.9,37.95 65.42,37.95 64.38,38.99 U31.18
Net-(LED495-K): length 28.7
  Top w0.2: v1(90.64,37.09) 89.29,37.09
  Bottom w0.2: U31.19 65.02,38.91 65.58,38.35 89.38,38.35 v1(90.64,37.09)
Net-(LED496-K): length 34
  Top w0.2: v1(96.56,37.09) 95.17,37.09
  Bottom w0.2: v1(96.56,37.09) 94.9,38.75 65.75,38.75 65.65,38.85 U31.20
Net-(LED497-K): length 29.3
  Top w0.2: v1(8.3,31.05) 8.28,31.03 6.93,31.03
  Bottom w0.2: U32.5 34.35,33.1 33.2,31.95 26.98,31.95 26.48,32.45 9.7,32.45 v1(8.3,31.05)
Net-(LED498-K): length 24.1
  Top w0.2: 12.81,31.03 14.08,31.03 v1(14.1,31.05)
  Bottom w0.2: U32.6 34.98,33.12 33.41,31.55 26.82,31.55 26.32,32.05 25.48,32.05 25.48,32.05 15.1,32.05 v1(14.1,31.05)
Net-(LED499-K): length 18.8
  Top w0.2: 18.7,31.03 19.98,31.03 v1(20,31.05)
  Bottom w0.2: v1(20,31.05) 20.6,31.65 25.65,31.65 25.65,31.65 26.15,31.65 26.65,31.15 33.64,31.15 35.62,33.13 U32.7
Net-(LED500-K): length 13.6
  Top w0.2: v1(25.9,31.05) 25.88,31.03 24.58,31.03
  Bottom w0.2: U32.8 36.25,32.79 34.21,30.75 26.2,30.75 v1(25.9,31.05)
Net-(LED501-K): length 8.8
  Top w0.2: 30.46,31.03 30.62,31.03 v1(31.5,30.15)
  Bottom w0.2: U32.9 36.89,32.79 34.45,30.35 31.7,30.35 v1(31.5,30.15)
Net-(LED502-K): length 5.9
  Top w0.2: 36.34,31.03 37.4,32.09 37.4,34.95 v1(37.3,35.05)
  Bottom w0.2: v1(37.3,35.05) 37.52,34.83 U32.10
Net-(LED503-K): length 8.2
  Top w0.2: v1(42.2,32.65) 42.23,32.63 42.23,31.03
  In4.Cu w0.2: v1(38.18,35.03) 38.18,34.68 40.2,32.65 v1(42.2,32.65)
  Bottom w0.2: v1(38.18,35.03) 38.2,35 38.2,33.78 U32.11
Net-(LED504-K): length 14.9
  Top w0.2: v1(49.88,29.98) 48.82,31.03 48.11,31.03
  In4.Cu w0.2: v1(49.88,29.98) 46.1,33.75 v1(40,33.75)
  Bottom w0.2: U32.12 38.8,33.75 v1(40,33.75)
Net-(LED505-K): length 18.9
  Top w0.2: v1(55.3,31.05) 55.28,31.03 53.99,31.03
  Bottom w0.2: U32.13 39.18,28.75 46.53,28.75 46.53,28.75 47.03,28.75 47.03,28.75 49.5,28.75 51.8,31.05 v1(55.3,31.05)
Net-(LED506-K): length 28.6
  Top w0.2: v1(61.2,31.05) 61.18,31.03 59.87,31.03
  In4.Cu w0.2: v1(45.94,29.42) 45.9,29.38 v1(45.9,27.75)
  Bottom w0.2: v1(61.2,31.05) 61.2,30.75 60.9,30.45 51.8,30.45 49.7,28.35 46.5,28.35 v1(45.9,27.75) ; v1(45.94,29.42) 45.71,29.65 38.83,29.65 38.16,28.98 U32.14
Net-(LED507-K): length 35.5
  Top w0.2: 65.76,31.03 67.08,31.03 v1(67.1,31.05)
  In4.Cu w0.2: v1(46.78,29.43) 46.8,29.4 v1(46.8,27.75)
  Bottom w0.2: v1(46.78,29.43) 46.15,30.05 38.26,30.05 37.52,29.31 U32.15 ; v1(46.8,27.75) 46.98,27.93 49.87,27.93 51.97,30.03 51.97,30.05 61.1,30.05 62.1,31.05 v1(67.1,31.05)
Net-(LED508-K): length 41.1
  Top w0.2: v1(73,31.05) 72.98,31.03 71.64,31.03
  In4.Cu w0.2: v1(50.93,28.15) 48.8,28.15 47.6,29.35 v1(47.6,29.45)
  Bottom w0.2: v1(50.93,28.15) 52.43,29.65 61.3,29.65 62.1,30.45 72.4,30.45 v1(73,31.05) ; U32.16 36.89,29.31 38.03,30.45 46.6,30.45 v1(47.6,29.45)
Net-(LED509-K): length 47.5
  Top w0.2: v1(78.9,31.05) 78.88,31.03 77.52,31.03
  In4.Cu w0.2: v1(59.9,28.78) 59.85,28.83 48.97,28.83 48.4,29.4 v1(48.4,29.45)
  Bottom w0.2: v1(78.9,31.05) 77.9,30.05 62.3,30.05 61.5,29.25 60.38,29.25 v1(59.9,28.78) ; U32.17 36.25,29.31 37.79,30.85 47.1,30.85 48.42,29.53 48.42,29.48 v1(48.4,29.45)
Net-(LED510-K): length 53.8
  Top w0.2: 83.4,31.03 84.68,31.03 v1(84.7,31.05)
  In4.Cu w0.2: v1(49.2,29.45) 49.28,29.38 62.48,29.38 v1(62.6,29.25)
  Bottom w0.2: U32.18 35.62,29.31 37.56,31.25 47.5,31.25 49.2,29.55 v1(49.2,29.45) ; v1(62.6,29.25) 63,29.65 83.3,29.65 v1(84.7,31.05)
Net-(LED511-K): length 59.1
  Top w0.2: v1(90.6,31.05) 90.58,31.03 89.29,31.03
  Bottom w0.2: U32.19 34.98,29.31 37.32,31.65 90,31.65 v1(90.6,31.05)
Net-(LED512-K): length 66
  Top w0.2: v1(96.5,31.05) 96.48,31.03 95.17,31.03
  Bottom w0.2: v1(96.5,31.05) 95.5,32.05 37.09,32.05 34.35,29.31 U32.20
Net-(U1-R-EXT): length 7.5
  Bottom w0.2: 73.88,221.9 73.38,222.4 68.73,222.4 68.39,222.74 67.99,222.74 67.56,222.31 U1.23
Net-(U1-VDD): length 1.8
  Bottom w0.2: U1.24 70.02,221.69
Net-(U2-R-EXT): length 4.1
  Bottom w0.2: R2.2 29.83,211.4 32.2,211.4 32.44,211.16 U2.23
Net-(U2-VDD): length 2.4
  Bottom w0.2: U2.24 29.59,210.21 29.48,210.1
Net-(U3-R-EXT): length 7.5
  Bottom w0.2: U3.23 67.56,210.16 67.99,210.59 68.39,210.59 68.73,210.25 73.38,210.25 73.88,209.75
Net-(U3-VDD): length 2.1
  Bottom w0.2: U3.24 70.02,209.54 70.22,209.75
Net-(U4-R-EXT): length 4.1
  Bottom w0.2: U4.23 32.44,199.01 32.2,199.25 29.83,199.25 R4.2
Net-(U4-VDD): length 2.4
  Bottom w0.2: U4.24 29.59,198.06 29.48,197.95
Net-(U5-R-EXT): length 7.5
  Bottom w0.2: U5.23 67.56,198.06 67.99,198.49 68.39,198.49 68.73,198.15 73.38,198.15 73.88,197.65
Net-(U5-VDD): length 2.1
  Bottom w0.2: 70.22,197.65 70.02,197.44 U5.24
Net-(U6-R-EXT): length 4.1
  Bottom w0.2: U6.23 32.44,186.91 32.2,187.15 29.83,187.15 R6.2
Net-(U6-VDD): length 2.4
  Bottom w0.2: U6.24 29.59,185.96 29.48,185.85
Net-(U7-R-EXT): length 7.5
  Bottom w0.2: U7.23 67.56,185.96 67.99,186.39 68.39,186.39 68.73,186.05 73.38,186.05 73.88,185.55
Net-(U7-VDD): length 2.1
  Bottom w0.2: 70.22,185.55 70.02,185.34 U7.24
Net-(U8-R-EXT): length 4.1
  Bottom w0.2: R8.2 29.83,175.05 32.2,175.05 32.44,174.81 U8.23
Net-(U8-VDD): length 2.4
  Bottom w0.2: U8.24 29.59,173.86 29.48,173.75
Net-(U9-R-EXT): length 7.5
  Bottom w0.2: U9.23 67.56,173.76 67.99,174.19 68.39,174.19 68.73,173.85 73.38,173.85 73.88,173.35
Net-(U9-VDD): length 2.1
  Bottom w0.2: U9.24 70.02,173.14 70.22,173.35
Net-(U10-R-EXT): length 4.1
  Bottom w0.2: U10.23 32.44,162.61 32.2,162.85 29.83,162.85 R10.2
Net-(U10-VDD): length 2.4
  Bottom w0.2: U10.24 29.59,161.66 29.48,161.55
Net-(U11-R-EXT): length 7.5
  Bottom w0.2: 73.88,161.25 73.38,161.75 68.73,161.75 68.39,162.09 67.99,162.09 67.56,161.66 U11.23
Net-(U11-VDD): length 2.1
  Bottom w0.2: 70.22,161.25 70.02,161.04 U11.24
Net-(U12-R-EXT): length 4.1
  Bottom w0.2: U12.23 32.44,150.51 32.2,150.75 29.83,150.75 R12.2
Net-(U12-VDD): length 2.4
  Bottom w0.2: 29.48,149.45 29.59,149.56 U12.24
Net-(U13-R-EXT): length 7.5
  Bottom w0.2: 73.88,149.15 73.38,149.65 68.73,149.65 68.39,149.99 67.99,149.99 67.56,149.56 U13.23
Net-(U13-VDD): length 2.1
  Bottom w0.2: U13.24 70.02,148.94 70.22,149.15
Net-(U14-R-EXT): length 4.1
  Bottom w0.2: R14.2 29.83,138.65 32.2,138.65 32.44,138.41 U14.23
Net-(U14-VDD): length 2.4
  Bottom w0.2: 29.48,137.35 29.59,137.46 U14.24
Net-(U15-R-EXT): length 7.5
  Bottom w0.2: 73.88,137.05 73.38,137.55 68.73,137.55 68.39,137.89 67.99,137.89 67.56,137.46 U15.23
Net-(U15-VDD): length 2.1
  Bottom w0.2: 70.22,137.05 70.02,136.84 U15.24
Net-(U16-R-EXT): length 4.1
  Bottom w0.2: U16.23 32.44,126.31 32.2,126.55 29.83,126.55 R16.2
Net-(U16-VDD): length 2.4
  Bottom w0.2: 29.48,125.25 29.59,125.36 U16.24
Net-(U17-R-EXT): length 7.5
  Bottom w0.2: U17.23 67.56,125.26 67.99,125.69 68.39,125.69 68.73,125.35 73.38,125.35 73.88,124.85
Net-(U17-VDD): length 2.1
  Bottom w0.2: 70.22,124.85 70.02,124.64 U17.24
Net-(U18-R-EXT): length 4.1
  Bottom w0.2: R18.2 29.83,114.35 32.2,114.35 32.44,114.11 U18.23
Net-(U18-VDD): length 2.4
  Bottom w0.2: U18.24 29.59,113.16 29.48,113.05
Net-(U19-R-EXT): length 7.5
  Bottom w0.2: U19.23 67.56,113.16 67.99,113.59 68.39,113.59 68.73,113.25 73.38,113.25 73.88,112.75
Net-(U19-VDD): length 2.1
  Bottom w0.2: 70.22,112.75 70.02,112.54 U19.24
Net-(U20-R-EXT): length 4.1
  Bottom w0.2: R20.2 29.83,102.25 32.2,102.25 32.44,102.01 U20.23
Net-(U20-VDD): length 2.4
  Bottom w0.2: 29.48,100.95 29.59,101.06 U20.24
Net-(U21-R-EXT): length 7.5
  Bottom w0.2: U21.23 67.56,101.06 67.99,101.49 68.39,101.49 68.73,101.15 73.38,101.15 73.88,100.65
Net-(U21-VDD): length 2.1
  Bottom w0.2: 70.22,100.65 70.02,100.44 U21.24
Net-(U22-R-EXT): length 4.1
  Bottom w0.2: U22.23 32.44,89.91 32.2,90.15 29.83,90.15 R22.2
Net-(U22-VDD): length 2.4
  Bottom w0.2: U22.24 29.59,88.96 29.48,88.85
Net-(U23-R-EXT): length 7.5
  Bottom w0.2: 73.88,88.55 73.38,89.05 68.73,89.05 68.39,89.39 67.99,89.39 67.56,88.96 U23.23
Net-(U23-VDD): length 2.1
  Bottom w0.2: 70.22,88.55 70.02,88.34 U23.24
Net-(U24-R-EXT): length 4.1
  Bottom w0.2: U24.23 32.44,77.81 32.2,78.05 29.83,78.05 R24.2
Net-(U24-VDD): length 2.4
  Bottom w0.2: 29.48,76.75 29.59,76.86 U24.24
Net-(U25-R-EXT): length 7.5
  Bottom w0.2: 73.88,76.45 73.38,76.95 68.73,76.95 68.39,77.29 67.99,77.29 67.56,76.86 U25.23
Net-(U25-VDD): length 2.1
  Bottom w0.2: U25.24 70.02,76.24 70.22,76.45
Net-(U26-R-EXT): length 4.1
  Bottom w0.2: R26.2 29.83,65.95 32.2,65.95 32.44,65.71 U26.23
Net-(U26-VDD): length 2.4
  Bottom w0.2: U26.24 29.59,64.76 29.48,64.65
Net-(U27-R-EXT): length 7.5
  Bottom w0.2: 73.88,64.25 73.38,64.75 68.73,64.75 68.39,65.09 67.99,65.09 67.56,64.66 U27.23
Net-(U27-VDD): length 2.1
  Bottom w0.2: U27.24 70.02,64.04 70.22,64.25
Net-(U28-R-EXT): length 4.1
  Bottom w0.2: U28.23 32.44,53.51 32.2,53.75 29.83,53.75 R28.2
Net-(U28-VDD): length 2.4
  Bottom w0.2: U28.24 29.59,52.56 29.48,52.45
Net-(U29-R-EXT): length 7.5
  Bottom w0.2: U29.23 67.56,52.56 67.99,52.99 68.39,52.99 68.73,52.65 73.38,52.65 73.88,52.15
Net-(U29-VDD): length 2.1
  Bottom w0.2: 70.22,52.15 70.02,51.94 U29.24
Net-(U30-R-EXT): length 4.1
  Bottom w0.2: U30.23 32.44,41.41 32.2,41.65 29.83,41.65 R30.2
Net-(U30-VDD): length 2.4
  Bottom w0.2: 29.48,40.35 29.59,40.46 U30.24
Net-(U31-R-EXT): length 7.5
  Bottom w0.2: U31.23 67.56,40.46 67.99,40.89 68.39,40.89 68.73,40.55 73.38,40.55 73.88,40.05
Net-(U31-VDD): length 2.1
  Bottom w0.2: U31.24 70.02,39.84 70.22,40.05
Net-(U32-R-EXT): length 4.1
  Bottom w0.2: R32.2 29.83,29.55 32.2,29.55 32.44,29.31 U32.23
Net-(U32-VDD): length 2.4
  Bottom w0.2: U32.24 29.59,28.36 29.48,28.25
Net-(U33-IO4): length 2.4
  Top w0.2: U33.4 88.44,22.9 R42.1

## Copper pours and planes (outline as drawn; the poured copper is in the pictures)
VCC on Top: 0,225 100,225 100,25 0,25
VCC on Top: 72.4,237 77.3,237 77.3,223.7 72.4,223.7
VCC on In3.Cu: 0,225 100,225 100,25 0,25
buck4v_EN on Bottom: 0,225 100,225 100,25 0,25
buck4v_EN on In2.Cu: 0,225 100,225 100,25 0,25
